# Allegro board WeChat_ZM_PART_20200601.brd (continued)
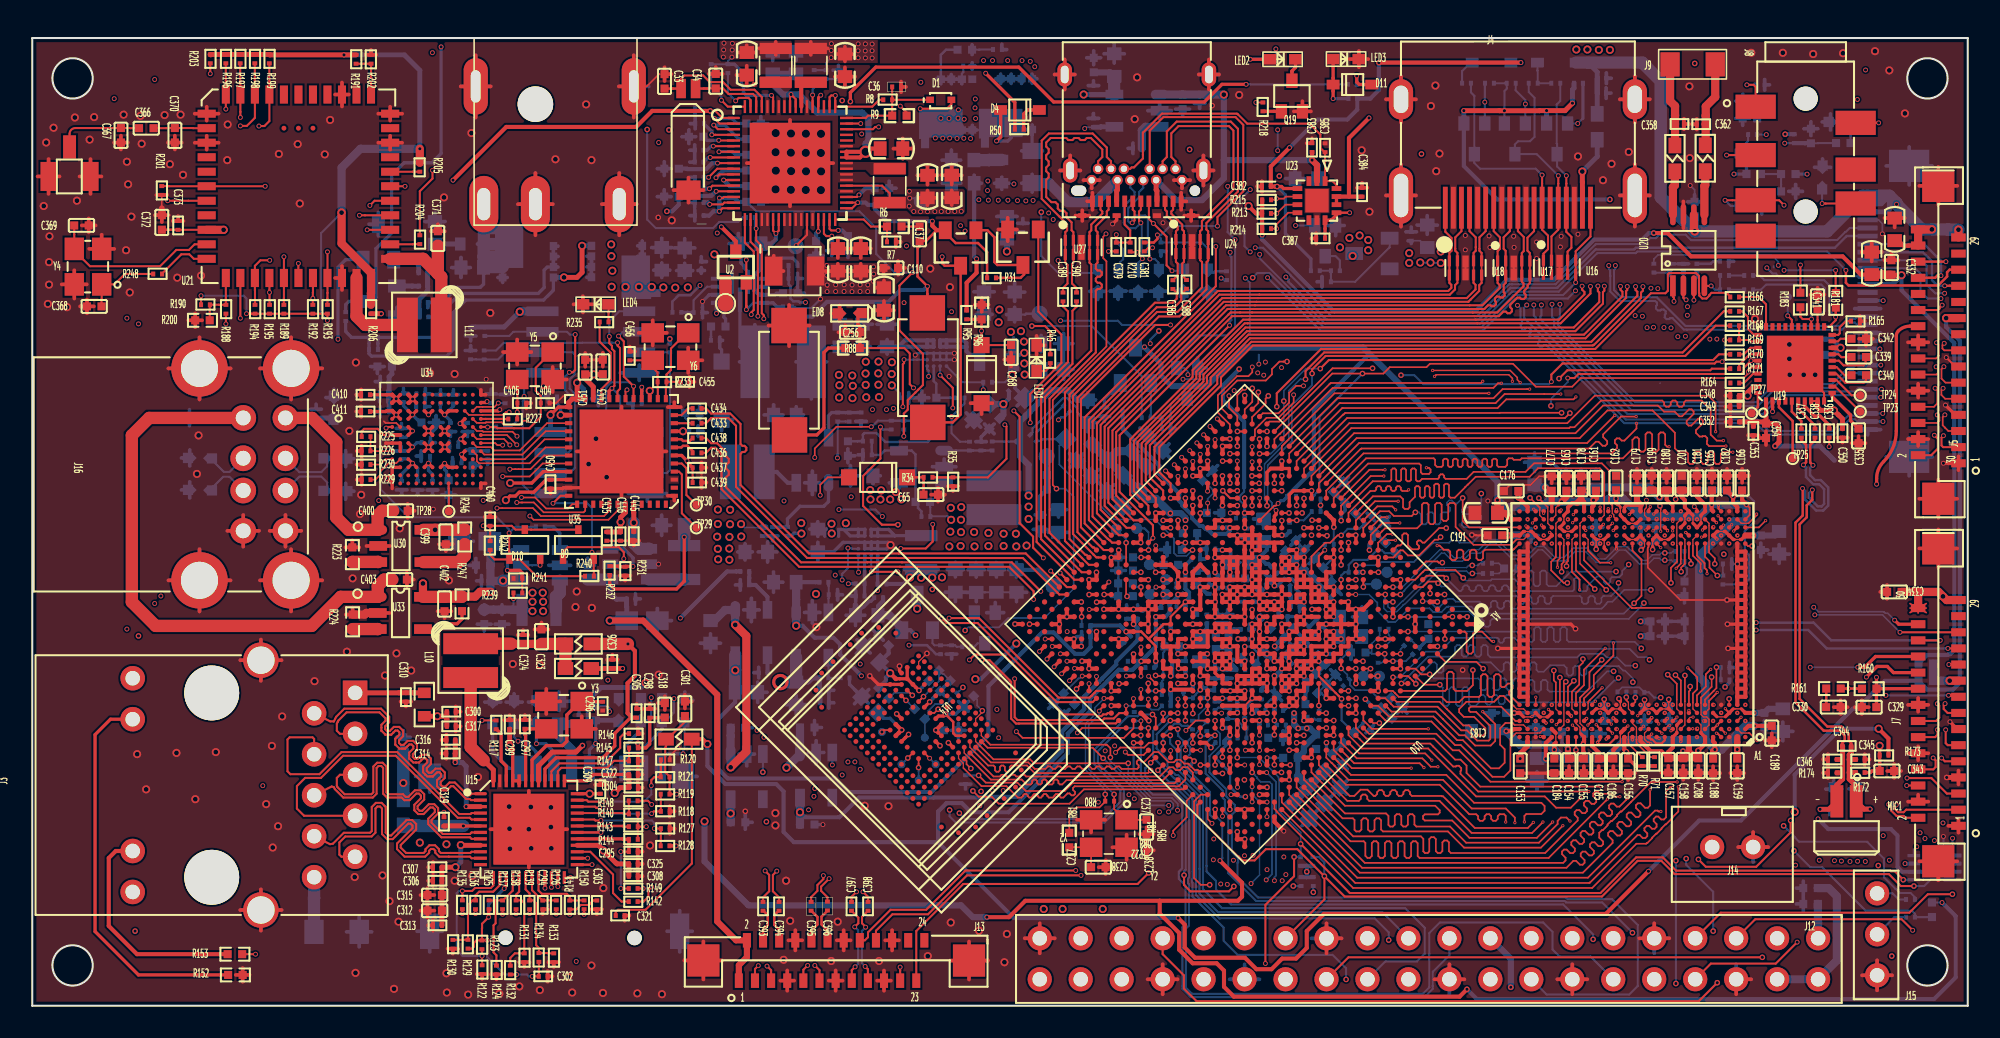
[diagram p0: board, top side]
## Nets (continued)
V5.0V: C72.1 C73.1 C74.1 C327.1 C328.2 C333.1 C334.1 C364.1 C374.1 C375.1 C378.1 C384.1 C392.2 C399.1 C402.1 C440.1 C441.1 C442.1 C443.1 C444.1 C451.1 C452.1 C457.1 D7.1(A) FB5.2 J5.28(VSYS_0) J5.29(VSYS_1) J5.30(VSYS_2) J6.28(VSYS_0) J6.29(VSYS_1) J6.30(VSYS_2) J7.28(VSYS_0) J7.29(VSYS_1) J7.30(VSYS_2) J12.2 J12.4 J13.1 J13.2 J14.1 Q4.5(DRAIN5) Q4.6(DRAIN6) Q4.7(DRAIN7) Q4.8(DRAIN8) Q8.5(DRAIN5) Q8.6(DRAIN6) Q8.7(DRAIN7) Q8.8(DRAIN8) R216.1 R246.1 R247.1 U9.1(VIN) U20.6(VDD) U22.5(IN) U23.12(VCONN_12) U23.13(VCONN_13) U30.5(IN) U33.5(IN) U35.22(VBUS) U36.4(VIN) U39.4(VIN)
VBUS_TYPEC: C83.1 C376.1 C377.1 C380.1 C383.1 J11.A4(VBUS_1) J11.A9(VBUS_2) J11.B4(VBUS_3) J11.B9(VBUS_4) R47.1 R48.1 R95.1 U22.1(VOUT) U23.2(VBUS)
VCC0V9_DDR0PLL: C215.1 R76.2 U10.R8(DDR0PLL_AVDD_0V9)
VCC0V9_DDR1PLL: C217.1 R79.2 U10.H14(DDR1PLL_AVDD_0V9)
VCC0V9_S3: C89.1 C90.1 C247.1 C286.1 Q10.2(SOURCE) U10.H20(EDP_AVDD_0V9) U10.L24(EMMC_COREDLL_0V9)
VCC1V8_DDR: C9.1 C160.1 C161.1 C162.1 C163.1 C164.1 C165.1 C166.1 C183.1 C184.1 C185.1 C186.1 C187.1 C188.1 C189.1 C273.1 C277.1 C278.1 C409.1 C410.1 C411.1 C412.1 C413.1 C414.1 C415.1 C416.1 D10.1 L3.2 Q11.3(DRAIN) Q15.1(GATE) Q16.1(GATE) Q17.1(GATE) R3.1 R4.2 R5.2 R10.1 R21.1 R32.1 R103.2 R104.2 R105.2 R106.2 R154.1 R156.1 R158.1 R206.1 R225.1 R238.2 R240.2 R242.2 U1.63(VFB4) U10.AB8(APIO3_VDD_1V8) U10.J24(APIO2_VDDPST) U10.K23(APIO2_VDD) U11.A5(VDD1_A5) U11.A20(VDD1_A20) U11.AH1(VDD1_AH1) U11.AH10(VDD1_AH10) U11.AH14(VDD1_AH14) U11.AH16(VDD1_AH16) U11.AH25(VDD1_AH25) U11.AH29(VDD1_AH29) U11.AJ5(VDD1_AJ5) U11.AJ20(VDD1_AJ20) U11.B1(VDD1_B1) U11.B10(VDD1_B10) U11.B14(VDD1_B14) U11.B16(VDD1_B16) U11.B25(VDD1_B25) U11.B29(VDD1_B29) U29.3(VCC(A)) U29.6(OE) U34.G11(EMMC_CNN_SE) U34.G12(GPIO_31_CNN_RSTN) U34.J11(VDE18#J11) U34.J12(VDE18#J12) U34.K11(VDE18#K11) U34.K12(VDE18#K12) U34.L9(VDE18#L9) U34.L10(VDE19#L10) U34.L11(VDE20#L11) U34.L12(VDE21#L12) U34.M9(VDE18#M9) U34.M10(VDE19#M10) U34.M11(VDE20#M11) U34.M12(VDE21#M12)
VCC1V8_DVP: C14.1 C331.1 C332.1 J6.19(VCC_IO) R162.1 R213.1 R214.1 R215.1 U1.31(VLDO1)
VCC1V8_PMUPLL: C17.1 C243.1 C244.1 R99.2 R101.2 R102.2 U1.3(VLDO3) U10.R24(PMUIO1_VDD_1V8) U10.U25(PMU_VDD_1V8)
VCC1V8_S3: C91.1 C92.1 C248.1 C269.1 C279.1 C280.1 C285.1 C287.1 C292.1 C293.1 Q11.2(SOURCE) R18.1 R25.2 R29.1 R114.1 R116.1 U10.AB12(MIPI_TX0_AVDD_1V8) U10.AB14(MIPI_RX0_AVDD_1V8) U10.AC10(MIPI_TX1/RX1_AVDD_1V8) U10.J19(EDP_AVDD_1V8_1) U10.J20(EDP_AVDD_1V8_2) U10.J22(APIO1_VDDPST) U10.K24(EMMC_VDD_1V8) U14.AA3(VCCQ2) U14.AA5(VCCQ1) U14.K6(VCCQ5) U14.W4(VCCQ4) U14.Y4(VCCQ3)
VCC3V0_SD: C251.1 C252.1 C254.1 J2.4(VDD) U13.5(OUT)
VCC3V0_TOUCH: C16.1 U1.33(VLDO2)
VCC3V3_S0: C30.1 C245.1 U1.11(VSWOUT2) U12.1(IN)
VCC3V3_S3: C28.1 C261.1 C264.1 C267.1 C270.1 C290.1 C291.1 C320.1 C321.1 FB2.1 FB4.1 J5.19(VCC_IO) R163.1 R217.1 U1.7(VSWOUT1) U10.AB18(TYPEC0_AVDD_3V3) U10.AB21(TYPEC1_AVDD_3V3) U10.J23(APIO1_VDD) U10.Y25(USB_AVDD_3V3) U14.M6(VCC4) U14.N5(VCC3) U14.T10(VCC2) U14.U9(VCC1)
VCC3V3_S5: C13.2 C37.2 C81.1 Q1.2(SOURCE) R8.2 R31.1 SW1.1 U1.35(VLDOA) U1.36(VCCA) U1.52(BOOT0) U1.53(BOOT1) U2.2 U9.6(LDO)
VCC3V3_SYS: C1.2 C2.2 C3.2 C6.2 C15.2 C18.2 C21.2 C23.2 C25.2 C27.2 C29.2 C38.1 C41.1 C49.1 C53.1 C59.1 C62.1 C75.1 C76.1 C77.1 C80.1 C253.1 C372.1 C373.1 C382.1 C391.2 D8.1(A) J12.1 J12.17 L9.2 R12.1 R15.1 R45.1 R52.1 R54.1 R55.1 R219.1 U1.1(VCC10) U1.4(VCC7) U1.8(VCC8) U1.10(VCC12) U1.13(VCC9) U1.16(VCC11) U1.23(VCC14) U1.24(VCC2) U1.32(VCC6) U1.44(VCC13) U1.45(VCC1) U1.59(VCC3) U1.60(VCC4) U3.D1(VIN_1) U3.D2(VIN_2) U3.E1(VIN_3) U3.E2(VIN_4) U4.4(VIN) U5.1(IN) U6.4(VIN) U7.1(IN) U8.D1(VIN_1) U8.D2(VIN_2) U8.E1(VIN_3) U8.E2(VIN_4) U9.5(VOUT) U13.1(IN) U21.9(VBAT) U23.4(VDD)
VCC5V0_TYPEC_EN: R212.1 U10.F31(GPIO2_B4/SPI2_CSN0_U) U22.4(EN)
VCC-WIFI-IO: R189.1 R190.2 R191.2 R192.1 R193.1 R194.1 R195.1 R196.2 R197.2 R198.2 R199.2 R203.2 R205.1 R206.2 U21.22(VDDIO)
VCC_0V9: C42.1 C43.1 C44.1 C241.1 L6.2 Q10.3(DRAIN) R11.1 U10.T24(PMU_VDD_0V9)
VCC_1V5: C24.1 C272.1 C274.1 R100.2 U1.2(VLDO6) U10.AC8(APIO4_VDDPST) U10.N23(PMUIO2_VDDPST)
VCC_3V0: C26.1 C31.2 C271.1 C275.1 R26.2 R97.2 R98.2 R222.1 U1.15(VLDO8) U1.17(VDDIO) U10.AC9(APIO4_VDD) U10.P23(PMUIO2_VDD) U29.7(VCC(B))
VCC_DC: C70.1 C84.2 J1.1 Q3.5(DRAIN5) Q3.6(DRAIN6) Q3.7(DRAIN7) Q3.8(DRAIN8) Q7.4(GATE) Q8.4(GATE) R37.1 R38.1 R49.2 R51.1
VCC_DDR: C10.2 C11.1 C152.1 C153.1 C154.1 C155.1 C156.1 C157.1 C158.1 C159.1 C175.1 C176.1 C177.1 C178.1 C179.1 C180.1 C181.1 C182.1 C198.1 C199.1 C200.1 C201.1 C202.1 C203.1 C204.1 C205.1 C206.1 C207.1 C208.1 C209.1 C210.1 C212.1 C218.1 C219.1 C220.1 C221.1 C222.1 C223.1 C224.1 C225.1 C226.1 C227.1 C228.1 C229.1 C230.1 C231.1 C232.1 C233.1 C234.1 C235.1 L4.2 Q9.3(DRAIN) R2.2 R66.2 R68.2 R69.2 R70.2 R71.2 R72.2 R74.1 R75.1 U10.J11(DDR1_VDD_1) U10.J12(DDR1_VDD_2) U10.J13(DDR1_VDD_3) U10.J14(DDR1_VDD_4) U10.J15(DDR1_VDD_5) U10.J16(DDR1_VDD_6) U10.J17(DDR1_VDD_7) U10.J18(DDR1_VDD_8) U10.K11(DDR1_VDD_9) U10.K13(DDR1_VDD_10) U10.K15(DDR1_VDD_11) U10.K17(DDR1_VDD_12) U10.L9(DDR0_VDD_1) U10.L10(DDR0_VDD_2) U10.M9(DDR0_VDD_3) U10.N9(DDR0_VDD_4) U10.N10(DDR0_VDD_5) U10.P9(DDR0_VDD_6) U10.R9(DDR0_VDD_7) U10.R10(DDR0_VDD_8) U10.T9(DDR0_VDD_9) U10.U9(DDR0_VDD_10) U10.U10(DDR0_VDD_11) U10.V9(DDR0_VDD_12) U11.A2(VDD2_A2) U11.A6(VDD2_A6) U11.A8(VDD2_A8) U11.A10(VDD2_A10) U11.A14(VDD2_A14) U11.A16(VDD2_A16) U11.A21(VDD2_A21) U11.A23(VDD2_A23) U11.A25(VDD2_A25) U11.A28(VDD2_A28) U11.AG7(VDD2_AG7) U11.AG9(VDD2_AG9) U11.AG22(VDD2_AG22) U11.AG24(VDD2_AG24) U11.AJ2(VDD2_AJ2) U11.AJ6(VDD2_AJ6) U11.AJ8(VDD2_AJ8) U11.AJ10(VDD2_AJ10) U11.AJ14(VDD2_AJ14) U11.AJ16(VDD2_AJ16) U11.AJ21(VDD2_AJ21) U11.AJ23(VDD2_AJ23) U11.AJ25(VDD2_AJ25) U11.AJ28(VDD2_AJ28) U11.C7(VDD2_C7) U11.C9(VDD2_C9) U11.C22(VDD2_C22) U11.C24(VDD2_C24)
VCC_DDRC: C86.1 C87.1 C167.1 C168.1 C169.1 C170.1 C171.1 C172.1 C173.1 C174.1 C190.1 C191.1 C192.1 C193.1 C194.1 C195.1 C196.1 C197.1 Q9.2(SOURCE) U11.A4(VDDQ_A4) U11.A11(VDDQ_A11) U11.A13(VDDQ_A13) U11.A17(VDDQ_A17) U11.A19(VDDQ_A19) U11.A26(VDDQ_A26) U11.AF1(VDDQ_AF1) U11.AF3(VDDQ_AF3) U11.AF5(VDDQ_AF5) U11.AF10(VDDQ_AF10) U11.AF12(VDDQ_AF12) U11.AF14(VDDQ_AF14) U11.AF16(VDDQ_AF16) U11.AF18(VDDQ_AF18) U11.AF20(VDDQ_AF20) U11.AF25(VDDQ_AF25) U11.AF27(VDDQ_AF27) U11.AF29(VDDQ_AF29) U11.AJ4(VDDQ_AJ4) U11.AJ11(VDDQ_AJ11) U11.AJ13(VDDQ_AJ13) U11.AJ17(VDDQ_AJ17) U11.AJ19(VDDQ_AJ19) U11.AJ26(VDDQ_AJ26) U11.D1(VDDQ_D1) U11.D3(VDDQ_D3) U11.D5(VDDQ_D5) U11.D10(VDDQ_D10) U11.D12(VDDQ_D12) U11.D14(VDDQ_D14) U11.D16(VDDQ_D16) U11.D18(VDDQ_D18) U11.D20(VDDQ_D20) U11.D25(VDDQ_D25) U11.D27(VDDQ_D27) U11.D29(VDDQ_D29)
VCC_EFUSE: C242.1 C246.1 R82.1 U10.AD23(EFUSE_VQPS) U12.5(OUT)
VCC_RTC: C32.1 U1.9(VCCRTC) U2.3
VCC_SDIO: C20.1 C250.1 U1.12(VLDO4) U10.T23(SDMMC0_VDD)
VCCA0V9_S3: C50.1 C51.1 C52.1 C214.1 C216.1 C240.1 C257.1 C259.1 C262.1 C265.1 C283.1 C284.1 R16.1 R76.1 R79.1 U5.5(FB/OUT) U10.AA16(HDMI_AVDD_0V9_1) U10.AA17(HDMI_AVDD_0V9_2) U10.R17(PLL_AVDD_0V9) U10.V24(USB_AVDD_0V9) U10.W24(PCIE_AVDD_0V9) U10.Y18(TYPEC0_AVDD_0V9_2) U10.Y19(TYPEC0_AVDD_0V9_1) U10.Y21(TYPEC1_AVDD_0V9_1) U10.Y22(TYPEC1_AVDD_0V9_2)
VCCA1V8_CODEC: C19.1 C276.1 C347.1 C348.1 C349.1 C350.1 C351.1 R179.1 U1.5(VLDO7) U10.AA8(APIO5_VDDPST) U10.Y8(APIO5_VDD) U19.8(DACREF) U19.9(AVDD) U19.18(CPVDD) U19.39(DBVDD)
VCCA1V8_S3: C60.1 C239.1 C255.1 C258.1 C260.1 C263.1 C266.1 C281.1 C282.1 R87.2 U7.5(OUT) U10.AA18(TYPEC0_AVDD_1V8) U10.AA21(TYPEC1_AVDD_1V8) U10.AC24(ADC_AVDD) U10.AD16(HDMI_AVDD_1V8) U10.P18(PLL_AVDD_1V8) U10.U24(USB_AVDD_1V8) U10.Y24(PCIE_AVDD_1V8)
VCCA3V0_CODEC: C22.1 C352.1 C353.1 C354.1 U1.14(VLDO5) U19.1(MICVDD)
VCCQ: C435.1 C446.1 U35.33(VUHS_2) U35.43(VUHS_1)
VDD1V0_RGMII: C323.1 C324.1 FB1.1 FB3.1 L10.2
VDD09: C406.1 C407.1 C408.1 C417.1 C418.1 C419.1 C420.1 C421.1 C422.1 C423.1 C424.1 C425.1 C426.1 C427.1 C428.1 C429.1 C430.1 C431.1 C432.1 C458.1 C459.1 L13.2 R239.2 U34.C4(VDD09#C4) U34.C5(VDD10#C5) U34.C6(VDD11#C6) U34.C7(VDD12#C7) U34.C8(VDD13#C8) U34.C9(VDD14#C9) U34.C10(VDD15#C10) U34.D3(VDD09#D3) U34.D10(VDD10#D10) U34.E3(VDD11#E3) U34.E10(VDD12#E10) U34.F3(VDD13#F3) U34.F10(VDD14#F10) U34.G3(VDD15#G3) U34.G10(VDD16) U34.H3(VDD17) U34.H10(VDD18) U34.J3(VDD19#J3) U34.J10(VDD19#J10) U34.K4(VDD09#K4) U34.K5(VDD10#K5) U34.K6(VDD11#K6) U34.K7(VDD12#K7) U34.K8(VDD13#K8) U34.K9(VDD14#K9) U34.K10(VDD15#K10) U34.L1(AVDDPLL09)
VDD_CENTER: C7.1 C8.1 C99.1 C125.1 C126.1 C127.1 C128.1 C129.1 C130.1 C131.1 L2.1 TP1.1 U1.39(VFB1) U10.M11(CENTERLOGIC_VDD_1) U10.M12(CENTERLOGIC_VDD_2) U10.M13(CENTERLOGIC_VDD_3) U10.M14(CENTERLOGIC_VDD_4) U10.M15(CENTERLOGIC_VDD_5) U10.N11(CENTERLOGIC_VDD_6) U10.N12(CENTERLOGIC_VDD_7) U10.P13(CENTERLOGIC_VDD_8) U10.P14(CENTERLOGIC_VDD_9) U10.P15(CENTERLOGIC_VDD_10)
VDD_CPU_B: C39.1 C40.1 C47.1 C48.1 C96.1 C116.1 C117.1 C118.1 C119.1 C120.1 C121.1 C122.1 C123.1 C124.1 L5.2 R13.2 TP4.1 U10.K19(BIGCPU_VDD_12) U10.K21(BIGCPU_VDD_13) U10.L18(BIGCPU_VDD_8) U10.L19(BIGCPU_VDD_1) U10.L21(BIGCPU_VDD_2) U10.L23(BIGCPU_VDD_11) U10.M18(BIGCPU_VDD_3) U10.M19(BIGCPU_VDD_4) U10.M20(BIGCPU_VDD_5) U10.M21(BIGCPU_VDD_6) U10.M22(BIGCPU_VDD_7) U10.N20(BIGCPU_VDD_10) U10.N22(BIGCPU_VDD_9)
VDD_CPU_B_FB: R13.1 U3.A4(VOUT) U10.N18(BIGCPU_VDD_COM)
VDD_CPU_L: C4.1 C5.1 C95.1 C108.1 C109.1 C110.1 C111.1 C112.1 C113.1 C114.1 C115.1 L1.1 TP2.1 U1.29(VFB2) U10.P20(LITCPU_VDD_1) U10.P22(LITCPU_VDD_4) U10.R19(LITCPU_VDD_2) U10.R20(LITCPU_VDD_3) U10.R22(LITCPU_VDD_7) U10.T20(LITCPU_VDD_6) U10.T22(LITCPU_VDD_5)
VDD_DDR0_CLK: C213.1 R75.2 U10.M7(DDR0_CLK_VDD)
VDD_DDR1_CLK: C211.1 R74.2 U10.G12(DDR1_CLK_VDD)
VDD_GPU: C63.1 C64.1 C67.1 C68.1 C98.1 C132.1 C133.1 C134.1 C135.1 C136.1 C137.1 C138.1 C139.1 C140.1 C141.1 C142.1 C143.1 C144.1 C145.1 C146.1 C147.1 L8.2 R33.2 TP6.1 U10.R11(GPU_VDD_8) U10.R12(GPU_VDD_9) U10.R13(GPU_VDD_13) U10.T11(GPU_VDD_10) U10.T12(GPU_VDD_11) U10.T13(GPU_VDD_12) U10.T14(GPU_VDD_14) U10.U13(GPU_VDD_7) U10.V11(GPU_VDD_15) U10.V12(GPU_VDD_16) U10.V13(GPU_VDD_6) U10.V14(GPU_VDD_5) U10.V15(GPU_VDD_4) U10.V16(GPU_VDD_17) U10.W10(GPU_VDD_20) U10.W11(GPU_VDD_1) U10.W12(GPU_VDD_2) U10.W14(GPU_VDD_3) U10.W15(GPU_VDD_19) U10.W16(GPU_VDD_18)
VDD_GPU_FB: R33.1 U8.A4(VOUT) U10.T15(GPU_VDD_COM)
VDD_LOG: C54.1 C55.1 C57.1 C97.1 C100.1 C101.1 C102.1 C103.1 C104.1 C105.1 C106.1 C107.1 L7.2 R19.1 R19.2 R22.1 TP5.1 U10.L17(LOGIC_VDD_10) U10.M17(LOGIC_VDD_9) U10.T17(LOGIC_VDD_11) U10.U17(LOGIC_VDD_8) U10.U18(LOGIC_VDD_7) U10.U20(LOGIC_VDD_12) U10.V18(LOGIC_VDD_5) U10.V19(LOGIC_VDD_4) U10.V20(LOGIC_VDD_3) U10.V21(LOGIC_VDD_2) U10.V22(LOGIC_VDD_1) U10.W20(LOGIC_VDD_6)
ADKEY_IN: C256.1 ED8.1 R87.1 R88.1 U10.AH26(ADC_IN1)
AP-WAKE-BT: R201.2 U10.AL4(GPIO2_D2/SDIO0_DETN/PCIE_CLKREQ) U21.6(BT_WAKE)
BT-PCM-CLK: R170.1 U10.AF3(GPIO4_A3/I2S1_SCLK_D) U21.26(PCM_CLK)
BT-PCM-DIN: R167.1 U10.AC6(GPIO4_A7/I2S1_SDO0_D) U21.27(PCM_IN)
BT-PCM-DOUT: R166.1 U10.AD6(GPIO4_A6/I2S1_SDI0_D) U21.25(PCM_OUT)
BT-PCM-SYNC: R168.1 U10.AA7(GPIO4_A4/I2S1_LRCK_RX_D) U21.28(PCM_SYNC)
BT-REG-ON: R99.1 R191.1 R202.2 U10.V30(GPIO0_B1/PMUIO2_VOLSEL_D) U21.34(BT_RST_N)
BT-UART-CTS: R199.1 U10.AG8(GPIO2_C2/UART0_CTSN_U) U21.41(UART_RTS_N)
BT-UART-RTS: R196.1 U10.AL5(GPIO2_C3/UART0_RTSN_U) U21.44(UART_CTS_N)
BT-UART-RX: R198.1 U10.AE9(GPIO2_C0/UART0_RX_U) U21.42(UART_TXD)
BT-UART-TX: R197.1 U10.AH8(GPIO2_C1/UART0_TX_U) U21.43(UART_RXD)
BT-WAKE-AP: U10.AA25(GPIO0_A4/SDIO0_INTN_D) U21.7(BT_HOST_WAKE)
CHG_CC_INT: R215.2 U10.R26(GPIO1_A2/ISP0_FLASHTRIGIN/ISP1_) U23.5(INT#)
CLK125: R117.1 U15.46(CLK125)
CPU_B_SLEEP: U3.A1(VSEL) U10.M27(GPIO1_C1/SPI3_CLK_D)
CSI_EN_CTP_RST: J7.26(TP_RST) U10.AH3(GPIO4_D2_D)
CSI_EN_H: J5.26(TP_RST) U10.R28(GPIO1_A4/ISP0_PRELIGHT_TRIG/ISP)
CSI_RST_C: J5.20(LCD_RST) U10.P25(GPIO0_A6/PWM3A_IR_D)
CSI_RST_H: J7.20(LCD_RST) U10.U28(GPIO0_B0/SDMMC0_WRPT/TEST_CLKOU)
CTP1_INT: J7.25(TP_INT) U10.AJ3(GPIO4_D5_D)
DC_DET_H: Q6.2(EMITTER) U10.M29(GPIO1_C4/I2C8_SDA_U)
DDC_SCL: J4.15 Q15.3(DRAIN) R155.2 U16.2(IN2) U16.9(OUT2)
DDC_SDA: J4.16 Q17.3(DRAIN) R159.2 U16.4(IN3) U16.7(OUT3)
DDR0_A0: U10.F2(DDR0_A0) U11.AH6(CA0_B) U11.AH21(CA0_D)
DDR0_A1: U10.F1(DDR0_A1) U11.AF6(CA1_B) U11.AF21(CA1_D)
DDR0_A2: U10.G1(DDR0_A2) U11.AE8(CA2_B) U11.AE23(CA2_D)
DDR0_A3: U10.G2(DDR0_A3) U11.AH9(CA3_B) U11.AH24(CA3_D)
DDR0_A4: U10.H2(DDR0_A4) U11.AF9(CA4_B) U11.AF24(CA4_D)
DDR0_A5: U10.H1(DDR0_A5) U11.AE9(CA5_B) U11.AE24(CA5_D)
DDR0_CKE0: U10.E1(DDR0_CKE0) U11.AF7(CKE0_B) U11.AF22(CKE0_D)
DDR0_CKE1: U10.F5(DDR0_CKE1) U11.AE7(CKE1_B) U11.AE22(CKE1_D)
DDR0_CLK0N: R63.2 U10.J4(DDR0_CLK0N) U11.AG8(CK_C_B)
DDR0_CLK0P: R62.2 U10.H4(DDR0_CLK0P) U11.AH8(CK_T_B)
DDR0_CLK1N: R59.2 U10.J5(DDR0_CLK1N) U11.AG23(CK_C_D)
DDR0_CLK1P: R58.2 U10.H5(DDR0_CLK1P) U11.AH23(CK_T_D)
DDR0_CS0N: U10.M6(DDR0_CSN0) U11.AJ7(CS0_B)
DDR0_CS1N: U10.B1(DDR0_CSN1) U11.AH7(CS1_B)
DDR0_CS2N: U10.M5(DDR0_CSN2) U11.AJ22(CS0_D)
DDR0_CS3N: U10.C2(DDR0_CSN3) U11.AH22(CS1_D)
DDR0_D0: U10.AB2(DDR0_DQ0) U11.AG1(DQ0_B)
DDR0_D1: U10.AB1(DDR0_DQ1) U11.AE1(DQ1_B)
DDR0_D2: U10.AA2(DDR0_DQ2) U11.AH2(DQ2_B)
DDR0_D3: U10.AA1(DDR0_DQ3) U11.AF2(DQ3_B)
DDR0_D4: U10.Y2(DDR0_DQ4) U11.AH4(DQ4_B)
DDR0_D5: U10.Y1(DDR0_DQ5) U11.AF4(DQ5_B)
DDR0_D6: U10.W1(DDR0_DQ6) U11.AG5(DQ6_B)
DDR0_D7: U10.W2(DDR0_DQ7) U11.AE5(DQ7_B)
DDR0_D8: U10.AF2(DDR0_DQ8) U11.AE14(DQ8_B)
DDR0_D9: U10.AE2(DDR0_DQ9) U11.AG14(DQ9_B)
DDR0_D10: U10.AF1(DDR0_DQ10) U11.AF13(DQ10_B)
DDR0_D11: U10.AD2(DDR0_DQ11) U11.AH13(DQ11_B)
DDR0_D12: U10.AE1(DDR0_DQ12) U11.AF11(DQ12_B)
DDR0_D13: U10.AD1(DDR0_DQ13) U11.AH11(DQ13_B)
DDR0_D14: U10.AC1(DDR0_DQ14) U11.AE10(DQ14_B)
DDR0_D15: U10.AC2(DDR0_DQ15) U11.AG10(DQ15_B)
DDR0_D16: U10.V1(DDR0_DQ16) U11.AG16(DQ0_D)
DDR0_D17: U10.V2(DDR0_DQ17) U11.AE16(DQ1_D)
DDR0_D18: U10.U1(DDR0_DQ18) U11.AH17(DQ2_D)
DDR0_D19: U10.U2(DDR0_DQ19) U11.AF17(DQ3_D)
DDR0_D20: U10.T1(DDR0_DQ20) U11.AH19(DQ4_D)
DDR0_D21: U10.T2(DDR0_DQ21) U11.AF19(DQ5_D)
DDR0_D22: U10.R2(DDR0_DQ22) U11.AG20(DQ6_D)
DDR0_D23: U10.R1(DDR0_DQ23) U11.AE20(DQ7_D)
DDR0_D24: U10.P1(DDR0_DQ24) U11.AE29(DQ8_D)
DDR0_D25: U10.P2(DDR0_DQ25) U11.AG29(DQ9_D)
DDR0_D26: U10.N1(DDR0_DQ26) U11.AF28(DQ10_D)
DDR0_D27: U10.M1(DDR0_DQ27) U11.AH28(DQ11_D)
DDR0_D28: U10.N2(DDR0_DQ28) U11.AF26(DQ12_D)
DDR0_D29: U10.L1(DDR0_DQ29) U11.AH26(DQ13_D)
DDR0_D30: U10.M2(DDR0_DQ30) U11.AE25(DQ14_D)
DDR0_D31: U10.L2(DDR0_DQ31) U11.AG25(DQ15_D)
DDR0_DM0: U10.Y5(DDR0_DM0) U11.AE3(DMI0_B)
DDR0_DM1: U10.AC5(DDR0_DM1) U11.AE12(DMI1_B)
DDR0_DM2: U10.U5(DDR0_DM2) U11.AE18(DMI0_D)
DDR0_DM3: U10.P5(DDR0_DM3) U11.AE27(DMI1_D)
DDR0_DQS0M: U10.AA4(DDR0_DQS0N) U11.AG3(DQS0_C_B)
DDR0_DQS0P: U10.Y4(DDR0_DQS0P) U11.AH3(DQS0_T_B)
DDR0_DQS1M: U10.AD4(DDR0_DQS1N) U11.AG12(DQS1_C_B)
DDR0_DQS1P: U10.AC4(DDR0_DQS1P) U11.AH12(DQS1_T_B)
DDR0_DQS2M: U10.V4(DDR0_DQS2N) U11.AG18(DQS0_C_D)
DDR0_DQS2P: U10.U4(DDR0_DQS2P) U11.AH18(DQS0_T_D)
DDR0_DQS3M: U10.R4(DDR0_DQS3N) U11.AG27(DQS1_C_D)
DDR0_DQS3P: U10.P4(DDR0_DQS3P) U11.AH27(DQS1_T_D)
DDR0_ODT0: R72.1 R73.1 U11.AE6(ODT_CA_B) U11.AE21(ODT_CA_D)
DDR0_RST: U10.L7(DDR0_RESET) U11.AE15(RESET_N)
DDR1_A0: U10.B10(DDR1_A0) U11.B6(CA0_A) U11.B21(CA0_C)
DDR1_A1: U10.A10(DDR1_A1) U11.D6(CA1_A) U11.D21(CA1_C)
DDR1_A2: U10.B9(DDR1_A2) U11.E8(CA2_A) U11.E23(CA2_C)
DDR1_A3: U10.A9(DDR1_A3) U11.B9(CA3_A) U11.B24(CA3_C)
DDR1_A4: U10.B8(DDR1_A4) U11.D9(CA4_A) U11.D24(CA4_C)
DDR1_A5: U10.A8(DDR1_A5) U11.E9(CA5_A) U11.E24(CA5_C)
DDR1_CKE0: U10.A5(DDR1_CKE0) U11.D7(CKE0_A) U11.D22(CKE0_C)
DDR1_CKE1: U10.E6(DDR1_CKE1) U11.E7(CKE1_A) U11.E22(CKE1_C)
DDR1_CLK0N: R65.2 U10.D8(DDR1_CLK0N) U11.C23(CK_C_C)
DDR1_CLK0P: R64.2 U10.D9(DDR1_CLK0P) U11.B23(CK_T_C)
DDR1_CLK1N: R61.2 U10.E8(DDR1_CLK1N) U11.C8(CK_C_A)
DDR1_CLK1P: R60.2 U10.E9(DDR1_CLK1P) U11.B8(CK_T_A)
DDR1_CS0N: U10.F12(DDR1_CSN0) U11.A22(CS0_C)
DDR1_CS1N: U10.A2(DDR1_CSN1) U11.B22(CS1_C)
DDR1_CS2N: U10.F11(DDR1_CSN2) U11.A7(CS0_A)
DDR1_CS3N: U10.B3(DDR1_CSN3) U11.B7(CS1_A)
DDR1_D0: U10.B15(DDR1_DQ0) U11.C16(DQ0_C)
DDR1_D1: U10.A15(DDR1_DQ1) U11.E16(DQ1_C)
DDR1_D2: U10.B16(DDR1_DQ2) U11.B17(DQ2_C)
DDR1_D3: U10.A16(DDR1_DQ3) U11.D17(DQ3_C)
DDR1_D4: U10.B17(DDR1_DQ4) U11.B19(DQ4_C)
DDR1_D5: U10.A17(DDR1_DQ5) U11.D19(DQ5_C)
DDR1_D6: U10.A18(DDR1_DQ6) U11.C20(DQ6_C)
DDR1_D7: U10.B18(DDR1_DQ7) U11.E20(DQ7_C)
DDR1_D8: U10.B11(DDR1_DQ8) U11.E29(DQ8_C)
DDR1_D9: U10.B12(DDR1_DQ9) U11.C29(DQ9_C)
DDR1_D10: U10.A11(DDR1_DQ10) U11.D28(DQ10_C)
DDR1_D11: U10.B13(DDR1_DQ11) U11.B28(DQ11_C)
DDR1_D12: U10.A12(DDR1_DQ12) U11.D26(DQ12_C)
DDR1_D13: U10.A13(DDR1_DQ13) U11.B26(DQ13_C)
DDR1_D14: U10.A14(DDR1_DQ14) U11.E25(DQ14_C)
DDR1_D15: U10.B14(DDR1_DQ15) U11.C25(DQ15_C)
DDR1_D16: U10.A19(DDR1_DQ16) U11.C1(DQ0_A)
DDR1_D17: U10.B19(DDR1_DQ17) U11.E1(DQ1_A)
DDR1_D18: U10.A20(DDR1_DQ18) U11.B2(DQ2_A)
DDR1_D19: U10.B20(DDR1_DQ19) U11.D2(DQ3_A)
DDR1_D20: U10.A21(DDR1_DQ20) U11.B4(DQ4_A)
DDR1_D21: U10.B21(DDR1_DQ21) U11.D4(DQ5_A)
DDR1_D22: U10.B22(DDR1_DQ22) U11.C5(DQ6_A)
DDR1_D23: U10.A22(DDR1_DQ23) U11.E5(DQ7_A)
DDR1_D24: U10.A23(DDR1_DQ24) U11.E14(DQ8_A)
DDR1_D25: U10.B23(DDR1_DQ25) U11.C14(DQ9_A)
DDR1_D26: U10.A24(DDR1_DQ26) U11.D13(DQ10_A)
DDR1_D27: U10.A25(DDR1_DQ27) U11.B13(DQ11_A)
DDR1_D28: U10.B24(DDR1_DQ28) U11.D11(DQ12_A)
DDR1_D29: U10.A26(DDR1_DQ29) U11.B11(DQ13_A)
DDR1_D30: U10.B25(DDR1_DQ30) U11.E10(DQ14_A)
DDR1_D31: U10.B26(DDR1_DQ31) U11.C10(DQ15_A)
DDR1_DM0: U10.E17(DDR1_DM0) U11.E18(DMI0_C)
DDR1_DM1: U10.E14(DDR1_DM1) U11.E27(DMI1_C)
DDR1_DM2: U10.E20(DDR1_DM2) U11.E3(DMI0_A)
DDR1_DM3: U10.E23(DDR1_DM3) U11.E12(DMI1_A)
DDR1_DQS0M: U10.D17(DDR1_DQS0N) U11.C18(DQS0_C_C)
DDR1_DQS0P: U10.D18(DDR1_DQS0P) U11.B18(DQS0_T_C)
DDR1_DQS1M: U10.D14(DDR1_DQS1N) U11.C27(DQS1_C_C)
DDR1_DQS1P: U10.D15(DDR1_DQS1P) U11.B27(DQS1_T_C)
DDR1_DQS2M: U10.D20(DDR1_DQS2N) U11.C3(DQS0_C_A)
DDR1_DQS2P: U10.D21(DDR1_DQS2P) U11.B3(DQS0_T_A)
DDR1_DQS3M: U10.D23(DDR1_DQS3N) U11.C12(DQS1_C_A)
DDR1_DQS3P: U10.D24(DDR1_DQS3P) U11.B12(DQS1_T_A)
DDR1_ODT0: R66.1 R67.1 U11.E6(ODT_CA_A) U11.E21(ODT_CA_C)
DQ2: R236.1 U37.3(/WP) U38.3(/WP)
DQ3: R237.1 U37.7(/HOLD) U38.7(/HOLD)
DVP_PDN0_H: J5.25(TP_INT) U10.AD9(GPIO2_D3/SDIO0_PWREN_D)
EDP_CABC_EN: J7.21(CABC_EN) U10.N24(GPIO0_A2/WIFI_26MHZ_D)
EDP_CABC_EN2: J6.21(CABC_EN) U10.P24(GPIO0_B5/TCPD_VBUS_FDIS/TCPD_VB)
EFUSE_VQPS_EN_H: U10.AK3(GPIO4_D3_D) U12.3(EN)
EMMC_CLK: U34.D1(EMMC_CLK) U35.29(S2CK_M2D0)
EMMC_CLKO: R83.2 R115.1 TP21.1
EMMC_CMD: R114.2 U10.J31(EMMC_CMD) U14.W5(CMD)
EMMC_CMD_SPR: U34.E2(EMMC_CMD) U35.30(S2CM_M2D2)
EMMC_D0: U10.J28(EMMC_D0) U14.H3(DATA0)
EMMC_D1: U10.J29(EMMC_D1) U14.H4(DATA1)
EMMC_D2: U10.J30(EMMC_D2) U14.H5(DATA2)
EMMC_D3: U10.J25(EMMC_D3) U14.J2(DATA3)
EMMC_D4: U10.J26(EMMC_D4) U14.J3(DATA4)
EMMC_D5: U10.J27(EMMC_D5) U14.J4(DATA5)
EMMC_D6: U10.L31(EMMC_D6) U14.J5(DATA6)
EMMC_D7: U10.K30(EMMC_D7) U14.J6(DATA7)
EMMC_DAT0: U34.E1(EMMC_DAT0) U35.28(S2D0_M2D1)
EMMC_DAT1: U34.F2(EMMC_DAT1) U35.27(S2D1_M2BS)
EMMC_DAT2: U34.F1(EMMC_DAT2) U35.32(S2D2_M2CK)
EMMC_DAT3: U34.G2(EMMC_DAT3) U35.31(S2D3_M2D3)
EMMC_DAT4: U34.G1(EMMC_DAT4) U35.38(S1D0_M1D1)
EMMC_DAT5: U34.H2(EMMC_DAT5) U35.37(S1D1_M1BS)
EMMC_DAT6: U34.J2(EMMC_DAT6) U35.42(S1D2_M1CK)
EMMC_DAT7: U34.K3(EMMC_DAT7) U35.41(S1D3_M1D3)
EMMC_STRB: R85.2 U10.K31(EMMC_STRB) U14.R5(RCLK)
ENSWREG: R145.2 R147.1 U15.38(ENSWREG)
GL_SPI_CLK: R243.2 R244.1 U37.6(CLK) U38.6(CLK)
GL_SPI_CSN: U35.20(SPI_CSN) U37.1(/CS) U38.1(/CS)
GL_SPI_MISO: U35.17(SPI_MISO) U37.2(DO) U38.2(DO)
GL_SPI_MOSI: U35.18(SPI_MOS) U37.5(DI) U38.5(DI)
GL_SSRXM: C436.2 U10.AL25(TYPEC1_RX1M)
GL_SSRXM0: C433.1 U35.10(RXN)
GL_SSRXP: C438.2 U10.AK25(TYPEC1_RX1P)
GL_SSRXP0: C434.1 U35.11(RXP)
GL_SSTXM: C433.2 U10.AK26(TYPEC1_TX1M)
GL_SSTXM0: C436.1 U35.7(TXN)
GL_SSTXP: C434.2 U10.AL26(TYPEC1_TX1P)
